# Altium PCB ledcube8x8x8.PcbDoc (part 1 of 2) (continued)
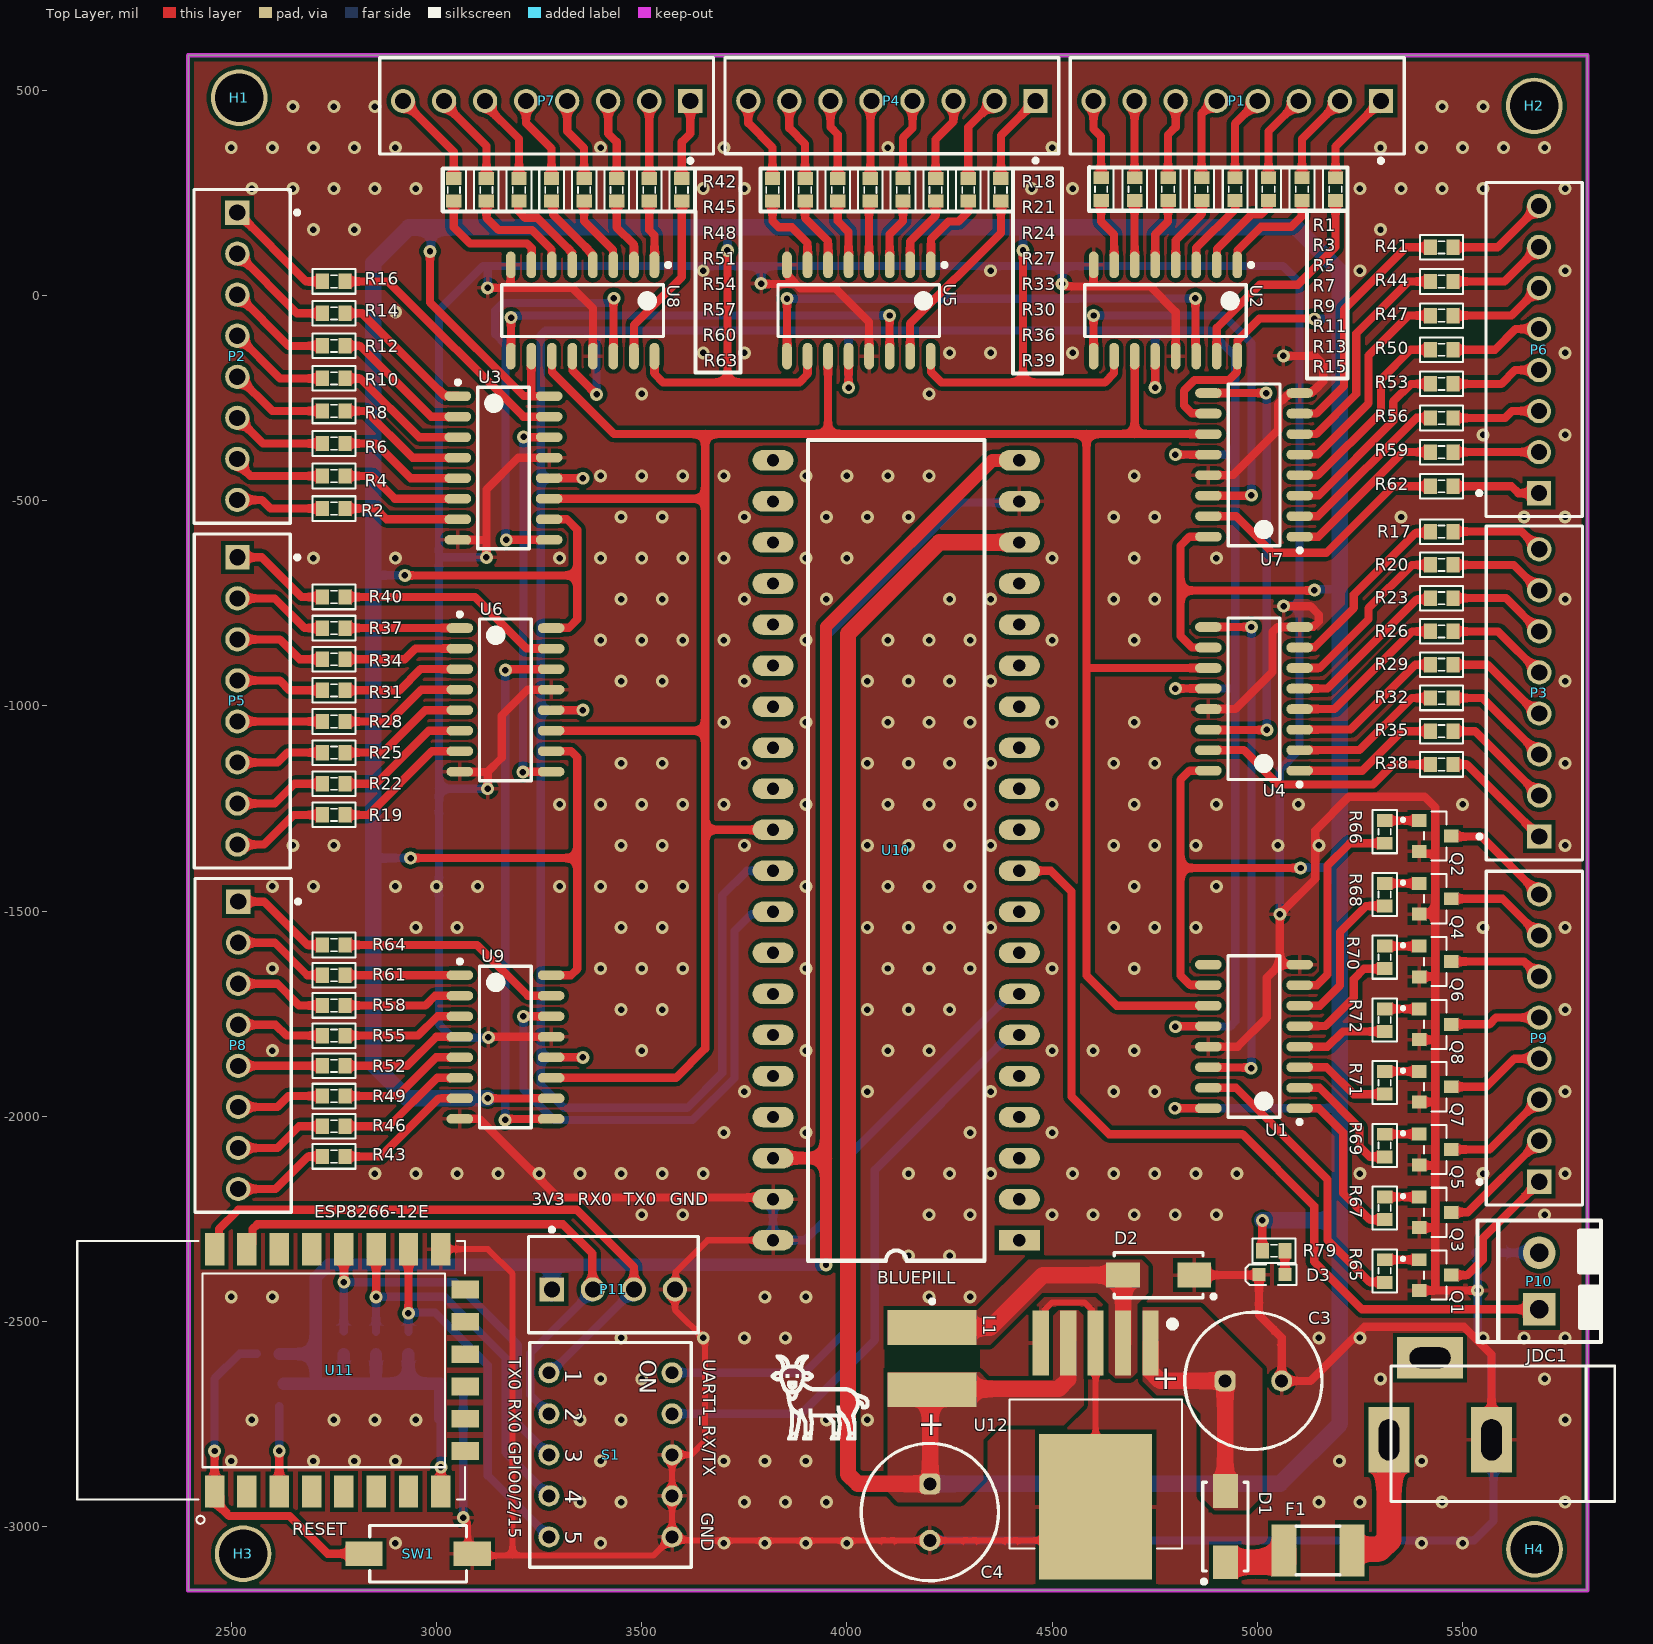
[diagram p0: Top Layer view]
## Design rules (kind name [scope] priority, off if disabled: settings) (continued)
PolygonConnect PolygonConnect_8 [All vs IsNamedPolygon('NETD2_2_L01_P018')] p15: thpad.connectstyle=Relief thpad.reliefconductorwidth=10 thpad.reliefentries=4 thpad.polygonreliefangle="90 Angle" thpad.airgapwidth=10 smdpad.connectstyle=Direct smdpad.reliefconductorwidth=10 smdpad.reliefentries=4 smdpad.polygonreliefangle="90 Angle" smdpad.airgapwidth=10 via.connectstyle=Relief via.reliefconductorwidth=10 via.reliefentries=4 via.polygonreliefangle="90 Angle" via.airgapwidth=10
PolygonConnect PolygonConnect_7 [All vs IsNamedPolygon('+5_L01_P004')] p16: thpad.connectstyle=Direct thpad.reliefconductorwidth=10 thpad.reliefentries=4 thpad.polygonreliefangle="90 Angle" thpad.airgapwidth=10 smdpad.connectstyle=Direct smdpad.reliefconductorwidth=10 smdpad.reliefentries=4 smdpad.polygonreliefangle="90 Angle" smdpad.airgapwidth=10 via.connectstyle=Relief via.reliefconductorwidth=10 via.reliefentries=4 via.polygonreliefangle="90 Angle" via.airgapwidth=10
PolygonConnect PolygonConnect_6 [All vs IsNamedPolygon('NETC3_1_L01_P005')] p17: thpad.connectstyle=Direct thpad.reliefconductorwidth=10 thpad.reliefentries=4 thpad.polygonreliefangle="90 Angle" thpad.airgapwidth=10 smdpad.connectstyle=Direct smdpad.reliefconductorwidth=10 smdpad.reliefentries=4 smdpad.polygonreliefangle="90 Angle" smdpad.airgapwidth=10 via.connectstyle=Relief via.reliefconductorwidth=10 via.reliefentries=4 via.polygonreliefangle="90 Angle" via.airgapwidth=10
PolygonConnect PolygonConnect_5 [All vs IsNamedPolygon('NETC3_1_L01_P005')] p18: thpad.connectstyle=Relief thpad.reliefconductorwidth=10 thpad.reliefentries=4 thpad.polygonreliefangle="90 Angle" thpad.airgapwidth=10 smdpad.connectstyle=Direct smdpad.reliefconductorwidth=10 smdpad.reliefentries=4 smdpad.polygonreliefangle="90 Angle" smdpad.airgapwidth=10 via.connectstyle=Relief via.reliefconductorwidth=10 via.reliefentries=4 via.polygonreliefangle="90 Angle" via.airgapwidth=10
PolygonConnect PolygonConnect_4 [All vs IsNamedPolygon('NETD1_1_L01_P006')] p19: thpad.connectstyle=Relief thpad.reliefconductorwidth=10 thpad.reliefentries=4 thpad.polygonreliefangle="90 Angle" thpad.airgapwidth=10 smdpad.connectstyle=Direct smdpad.reliefconductorwidth=10 smdpad.reliefentries=4 smdpad.polygonreliefangle="90 Angle" smdpad.airgapwidth=10 via.connectstyle=Relief via.reliefconductorwidth=10 via.reliefentries=4 via.polygonreliefangle="90 Angle" via.airgapwidth=10
PolygonConnect PolygonConnect_3 [All vs IsNamedPolygon('NETD1_1_L01_P006')] p20: thpad.connectstyle=Relief thpad.reliefconductorwidth=10 thpad.reliefentries=4 thpad.polygonreliefangle="90 Angle" thpad.airgapwidth=10 smdpad.connectstyle=Direct smdpad.reliefconductorwidth=10 smdpad.reliefentries=4 smdpad.polygonreliefangle="90 Angle" smdpad.airgapwidth=10 via.connectstyle=Relief via.reliefconductorwidth=10 via.reliefentries=4 via.polygonreliefangle="90 Angle" via.airgapwidth=10
PolygonConnect PolygonConnect_2 [All vs IsNamedPolygon('NETD1_1_L01_P006')] p21: thpad.connectstyle=Relief thpad.reliefconductorwidth=10 thpad.reliefentries=4 thpad.polygonreliefangle="90 Angle" thpad.airgapwidth=10 smdpad.connectstyle=Direct smdpad.reliefconductorwidth=10 smdpad.reliefentries=4 smdpad.polygonreliefangle="90 Angle" smdpad.airgapwidth=10 via.connectstyle=Relief via.reliefconductorwidth=10 via.reliefentries=4 via.polygonreliefangle="90 Angle" via.airgapwidth=10
PolygonConnect PolygonConnect_1 [All vs IsNamedPolygon('NETD1_1_L01_P006')] p22: thpad.connectstyle=Relief thpad.reliefconductorwidth=10 thpad.reliefentries=4 thpad.polygonreliefangle="90 Angle" thpad.airgapwidth=10 smdpad.connectstyle=Direct smdpad.reliefconductorwidth=10 smdpad.reliefentries=4 smdpad.polygonreliefangle="90 Angle" smdpad.airgapwidth=10 via.connectstyle=Relief via.reliefconductorwidth=10 via.reliefentries=4 via.polygonreliefangle="90 Angle" via.airgapwidth=10
PolygonConnect [All] p23: connectstyle=Relief reliefconductorwidth=10 reliefentries=4 polygonreliefangle="90 Angle" airgapwidth=10
RoutingVias [All] p1: holewidth=15.75 width=31.5 viastyle="Through Hole" minholewidth=15.75 minwidth=31.5 maxholewidth=15.75 maxwidth=31.5
SilkToSilkClearance [All] p1: silktosilkclearance=5
SilkToSolderMaskClearance [IsPad] p1: minsilkscreentomaskgap=3 clearancetoexposedcopper=TRUE
SolderMaskExpansion [All] p1: expansion=4 istentingtop=FALSE
Width [All] p1: maxlimit=70 minlimit=10 preferedwidth=20
28 further rules are at their usual default settings.

## Classes and differential pairs
component class power_supply: C3 C4 D1 D2 D3 F1 JDC1 L1 R79 U12
component class esp8266: C1 C2 IC*1 P11 R74 R75 R76 R77 R78 S1 SW1 U11
component class ledcube8x8x8: BLUEPILL H1 H2 H3 H4 P1 P2 P3 P4 P5 P6 P7 P8 P9 P10 Q1 Q2 Q3 Q4 Q5 Q6 Q7 Q8 R1 R2 R3 R4 R5 R6 R7 R8 R9 R10 R11 R12 R13 R14 R15 R16 R17 R18 R19 R20 R21 R22 R23 R24 R25 R26 R27 R28 R29 R30 R31 R32 R33 R34 R35 R36 R37 R38 R39 R40 R41 R42 R43 R44 R45 R46 R47 R48 R49 R50 R51 R52 R53 R54 R55 R56 R57 R58 R59 R60 R61 R62 R63 R64 R65 R66 R67 R68 R69 R70 R71 R72 R73 U1 U2 U3 U4 U5 U6 U7 U8 U9

## Components (designator, comment, footprint, x,y, rotation, side; value= is the part's Value field where it differs from the comment)
C1 "Cap Non-Pol SMD" CAP-SM-0603 3037.56,-2737 r180 bottom value=100nF
C2 "Cap Non-Pol SMD" CAP-SM-0603 3037,-2652 r180 bottom value=1uF
C3 "100uF" WCAP-ATG8_D8H11.5 4990.31,-2644.8 r180 top
C4 "1000uF" WCAP-ATG8_D8H16 4202.03,-2964.49 r90 top
D1 "D Schottky" SS34 4922,-3000 r90 top
D2 "D Schottky" SS34 4759.57,-2387.06 r180 top
D3 "LED SMD" LED_0603_Blue 5035.76,-2386 r180 top
F1 "Fuse" "FUSE SMD" 5148.06,-3058.08 r180 top
H1 "Hole" "LO KHOAN 3MM" 2519.28,481.49 r0 top
H2 "Hole" "LO KHOAN 3MM" 5674.42,461.81 r0 top
H3 "Hole" "LO KHOAN 3MM" 2528.79,-3065.99 r0 top
H4 "Hole" "LO KHOAN 3MM" 5675.34,-3055.16 r0 top
JDC1 "Jack DC" DC-IN 5445.69,-2688.41 r180 top value="Jac DC"
L1 "100µH, 0.57A" WE-PD2_5848 4207.71,-2590.76 r270 top
P1 "61900811121" 61900811121 4950.92,461.81 r0 top
P2 "61900811121" 61900811121 2526.54,-148.41 r90 top
P3 "61900811121" 61900811121 5675.01,-968.7 r270 top
P4 "61900811121" 61900811121 4109.65,462 r0 top
P5 "61900811121" 61900811121 2526.79,-988.2 r90 top
P6 "61900811121" 61900811121 5674.43,-131.91 r270 top
P7 "61900811121" 61900811121 3268.38,461.81 r0 top
P8 "61900811121" 61900811121 2528.79,-1827.2 r90 top
P9 "61900811121" 61900811121 5675.01,-1809.74 r270 top
P10 "Domino 2" "DOMINO SMALL 2" 5636.82,-2470.38 r90 top
P11 "61900411121" 61900411121 3431,-2410.19 r180 top
Q1 "MMSS8050-H-TP" TRANS_MMSS8050-H-TP 5433.56,-2387.06 r0 top
Q2 "MMSS8050-H-TP" TRANS_MMSS8050-H-TP 5433.56,-1317.1 r0 top
Q3 "MMSS8050-H-TP" TRANS_MMSS8050-H-TP 5433.56,-2234.06 r0 top
Q4 "MMSS8050-H-TP" TRANS_MMSS8050-H-TP 5433.56,-1470.1 r0 top
Q5 "MMSS8050-H-TP" TRANS_MMSS8050-H-TP 5433.56,-2081.06 r0 top
Q6 "MMSS8050-H-TP" TRANS_MMSS8050-H-TP 5433.56,-1623.1 r0 top
Q7 "MMSS8050-H-TP" TRANS_MMSS8050-H-TP 5433.56,-1928.06 r0 top
Q8 "MMSS8050-H-TP" TRANS_MMSS8050-H-TP 5433.56,-1776.1 r0 top
R1 "RESISTOR SMD" RES-SM-0603 4619.34,286.11 r270 top value=220
R2 "RESISTOR SMD" RES-SM-0603 2722.56,-519.43 r0 top value=220
R3 "RESISTOR SMD" RES-SM-0603 4700.92,286.11 r270 top value=220
R4 "RESISTOR SMD" RES-SM-0603 2722.56,-440.14 r0 top value=220
R5 "RESISTOR SMD" RES-SM-0603 4782.49,286.11 r270 top value=220
R6 "RESISTOR SMD" RES-SM-0603 2722.56,-360.86 r0 top value=220
R7 "RESISTOR SMD" RES-SM-0603 4864.07,286.11 r270 top value=220
R8 "RESISTOR SMD" RES-SM-0603 2722.56,-281.57 r0 top value=220
R9 "RESISTOR SMD" RES-SM-0603 4945.64,286.11 r270 top value=220
R10 "RESISTOR SMD" RES-SM-0603 2722.56,-202.29 r0 top value=220
R11 "RESISTOR SMD" RES-SM-0603 5027.22,286.11 r270 top value=220
R12 "RESISTOR SMD" RES-SM-0603 2722.56,-123 r0 top value=220
R13 "RESISTOR SMD" RES-SM-0603 5108.8,286.11 r270 top value=220
R14 "RESISTOR SMD" RES-SM-0603 2722.56,-43.71 r0 top value=220
R15 "RESISTOR SMD" RES-SM-0603 5190.37,286.11 r270 top value=220
R16 "RESISTOR SMD" RES-SM-0603 2722.56,34 r0 top value=220
R17 "RESISTOR SMD" RES-SM-0603 5476.28,-575.55 r180 top value=220
R18 "RESISTOR SMD" RES-SM-0603 3818.57,284.14 r270 top value=220
R19 "RESISTOR SMD" RES-SM-0603 2722.56,-1265.77 r0 top value=220
R20 "RESISTOR SMD" RES-SM-0603 5476.28,-656.6 r180 top value=220
R21 "RESISTOR SMD" RES-SM-0603 3898.07,284.14 r270 top value=220
R22 "RESISTOR SMD" RES-SM-0603 2722.56,-1189.91 r0 top value=220
R23 "RESISTOR SMD" RES-SM-0603 5476.28,-737.65 r180 top value=220
R24 "RESISTOR SMD" RES-SM-0603 3977.58,284.14 r270 top value=220
R25 "RESISTOR SMD" RES-SM-0603 2722.56,-1114.05 r0 top value=220
R26 "RESISTOR SMD" RES-SM-0603 5476.28,-818.7 r180 top value=220
R27 "RESISTOR SMD" RES-SM-0603 4057.08,284.14 r270 top value=220
R28 "RESISTOR SMD" RES-SM-0603 2722.56,-1038.2 r0 top value=220
R29 "RESISTOR SMD" RES-SM-0603 5476.28,-899.75 r180 top value=220
R30 "RESISTOR SMD" RES-SM-0603 4136.58,284.14 r270 top value=220
R31 "RESISTOR SMD" RES-SM-0603 2722.56,-962.34 r0 top value=220
R32 "RESISTOR SMD" RES-SM-0603 5476.28,-980.8 r180 top value=220
R33 "RESISTOR SMD" RES-SM-0603 4216.09,284.14 r270 top value=220
R34 "RESISTOR SMD" RES-SM-0603 2722.56,-886.48 r0 top value=220
R35 "RESISTOR SMD" RES-SM-0603 5476.28,-1061.85 r180 top value=220
R36 "RESISTOR SMD" RES-SM-0603 4295.59,284.14 r270 top value=220
R37 "RESISTOR SMD" RES-SM-0603 2722.56,-810.62 r0 top value=220
R38 "RESISTOR SMD" RES-SM-0603 5476.28,-1142.91 r180 top value=220
R39 "RESISTOR SMD" RES-SM-0603 4375.09,284.14 r270 top value=220
R40 "RESISTOR SMD" RES-SM-0603 2722.56,-734.77 r0 top value=220
R41 "RESISTOR SMD" RES-SM-0603 5476.28,117.05 r180 top value=220
R42 "RESISTOR SMD" RES-SM-0603 3042.22,284.14 r270 top value=220
R43 "RESISTOR SMD" RES-SM-0603 2722.56,-2097.98 r0 top value=220
R44 "RESISTOR SMD" RES-SM-0603 5476.28,33.89 r180 top value=220
R45 "RESISTOR SMD" RES-SM-0603 3121.58,284.14 r270 top value=220
R46 "RESISTOR SMD" RES-SM-0603 2722.56,-2024.38 r0 top value=220
R47 "RESISTOR SMD" RES-SM-0603 5476.28,-49.27 r180 top value=220
R48 "RESISTOR SMD" RES-SM-0603 3200.94,284.14 r270 top value=220
R49 "RESISTOR SMD" RES-SM-0603 2722.56,-1950.79 r0 top value=220
R50 "RESISTOR SMD" RES-SM-0603 5476.28,-132.43 r180 top value=220
R51 "RESISTOR SMD" RES-SM-0603 3280.3,284.14 r270 top value=220
R52 "RESISTOR SMD" RES-SM-0603 2722.56,-1877.2 r0 top value=220
R53 "RESISTOR SMD" RES-SM-0603 5476.28,-215.59 r180 top value=220
R54 "RESISTOR SMD" RES-SM-0603 3359.66,284.14 r270 top value=220
R55 "RESISTOR SMD" RES-SM-0603 2722.56,-1803.6 r0 top value=220
R56 "RESISTOR SMD" RES-SM-0603 5476.28,-298.75 r180 top value=220
R57 "RESISTOR SMD" RES-SM-0603 3439.02,284.14 r270 top value=220
R58 "RESISTOR SMD" RES-SM-0603 2722.56,-1730.01 r0 top value=220
R59 "RESISTOR SMD" RES-SM-0603 5476.28,-381.91 r180 top value=220
R60 "RESISTOR SMD" RES-SM-0603 3518.38,284.14 r270 top value=220
R61 "RESISTOR SMD" RES-SM-0603 2722.56,-1656.42 r0 top value=220
R62 "RESISTOR SMD" RES-SM-0603 5476.28,-465.07 r180 top value=220
R63 "RESISTOR SMD" RES-SM-0603 3597.74,284.14 r270 top value=220
R64 "RESISTOR SMD" RES-SM-0603 2722.56,-1582.83 r0 top value=220
R65 "RESISTOR SMD" RES-SM-0603 5310.09,-2404.21 r90 top value=1K
R66 "RESISTOR SMD" RES-SM-0603 5310.09,-1334.26 r90 top value=1K
R67 "RESISTOR SMD" RES-SM-0603 5310.09,-2251.36 r90 top value=1K
R68 "RESISTOR SMD" RES-SM-0603 5310.09,-1487.11 r90 top value=1K
R69 "RESISTOR SMD" RES-SM-0603 5310.09,-2098.51 r90 top value=1K
R70 "RESISTOR SMD" RES-SM-0603 5310.09,-1639.96 r90 top value=1K
R71 "RESISTOR SMD" RES-SM-0603 5310.09,-1945.66 r90 top value=1K
R72 "RESISTOR SMD" RES-SM-0603 5310.09,-1792.81 r90 top value=1K
R73 "RESISTOR SMD" RES-SM-0603 5536.82,-2332.59 r0 bottom value=10K
R74 "RESISTOR SMD" RES-SM-0603 2616.89,-2578.92 r180 bottom value=10K
R75 "RESISTOR SMD" RES-SM-0603 2616.89,-2651.8 r270 bottom value=10K
R76 "RESISTOR SMD" RES-SM-0603 2931.48,-2525.56 r270 bottom value=10K
R77 "RESISTOR SMD" RES-SM-0603 2852.74,-2525.56 r270 bottom value=10K
R78 "RESISTOR SMD" RES-SM-0603 2774,-2525 r270 bottom value=10K
R79 "RESISTOR SMD" RES-SM-0603 5012.7,-2327.63 r0 top value=1K
S1 "418117170905" 418117170905 3424,-2825 r270 top
SW1 "434111050826" WS-TASV_L6W3.5H5_4341x10508x6 2955.31,-3066 r0 top
U1 "74HC595" 74HC595D 4991.77,-1805.59 r180 top
U2 "74HC595" 74HC595D 4776,-37 r270 top
U3 "74HC595" 74HC595D 3163.27,-420.5 r0 top
U4 "74HC595" 74HC595D 4991.77,-983 r180 top
U5 "74HC595" 74HC595D 4029,-37 r270 top
U6 "74HC595" 74HC595D 3168,-985.62 r0 top
U7 "74HC595" 74HC595D 4992,-413 r180 top
U8 "74HC595" 74HC595D 3356,-37 r270 top
U9 "74HC595" 74HC595D 3168,-1831.42 r0 top
U10 "Bluepill" BLUEPILL 4420,-2302 r180 top
U11 "ESP8266-12E/ESP-12E" XCVR_ESP8266-12E/ESP-12E 2735,-2619 r90 top
U12 "LM2576-5.0WU" DPAK6P170_1524X459L254X81N 4606.03,-2801.59 r180 top

## Footprints (in the part's own frame and the unit in brackets; to place one, negate y for a bottom-side part, rotate by r counter-clockwise, add the part's x,y. Pads: shape width x height; smd on the part's side, far side on the other; paste and mask are expansions set on the pad)
74HC595D [mm] "SOIC, 16-Leads, Body 9.90x3.90mm, Pitch 1.27mm, IPC Medium Density"
  oval 1.65x0.6 smd: 1(-2.825,4.445) 2(-2.825,3.175) 3(-2.825,1.905) 4(-2.825,0.635) 5(-2.825,-0.635) 6(-2.825,-1.905) 7(-2.825,-3.175) 8(-2.825,-4.445) 9(2.825,-4.445) 10(2.825,-3.175) 11(2.825,-1.905) 12(2.825,-0.635) 13(2.825,0.635) 14(2.825,1.905) 15(2.825,3.175) 16(2.825,4.445)
  silkscreen extent -2.95,-5 1.6,5.42, body extent -3,-5 3,5, height 1.75
61900411121 [mm] "2.54mm Male Locking Header, 4p"
  rect 1.5x1.5 hole 1: 1(3.81,0.3)
  round 1.5 hole 1: 2(1.27,0.3) 3(-1.27,0.3) 4(-3.81,0.3)
  silkscreen extent -5.25,-3.52 5.25,2.98, body extent -5.08,-2.9 5.08,2.9, height 11.53
61900811121 [mm] "2.54mm Male Locking Header, 8p"
  rect 1.5x1.5 hole 1: 1(8.89,0.3)
  round 1.5 hole 1: 2(6.35,0.3) 3(3.81,0.3) 4(1.27,0.3) 5(-1.27,0.3) 6(-3.81,0.3) 7(-6.35,0.3) 8(-8.89,0.3)
  silkscreen extent -10.33,-3.52 10.33,2.98, body extent -10.16,-2.9 10.16,2.9, height 11.53
418117170905 [mm] "2.54 mm compact THT with flat actuator, 5p"
  round 1.3 hole 0.8: 1(-5.08,-3.81) 2(-2.54,-3.81) 3(0,-3.81) 4(2.54,-3.81) 5(5.08,-3.81) 6(5.08,3.81) 7(2.54,3.81) 8(0,3.81) 9(-2.54,3.81) 10(-5.08,3.81)
  silkscreen extent -6.95,-5 6.95,5, body extent -6.85,-4.95 6.85,4.95, height 5.75
BLUEPILL [mil]
  rect 100x50 hole 30: 1(0,0)
  oval 100x50 hole 30: 2(0,-100) 3(0,-200) 4(0,-300) 5(0,-400) 6(0,-500) 7(0,-600) 8(0,-700) 9(0,-800) 10(0,-900) 11(0,-1000) 12(0,-1100) 13(0,-1200) 14(0,-1300) 15(0,-1400) 16(0,-1500) 17(0,-1600) 18(0,-1700) 19(0,-1800) 20(0,-1900) 21(600,-1900) 22(600,-1800) 23(600,-1700) 24(600,-1600) 25(600,-1500) 26(600,-1400) 27(600,-1300) 28(600,-1200) 29(600,-1100) 30(600,-1000) 31(600,-900) 32(600,-800) 33(600,-700) 34(600,-600) 35(600,-500) 36(600,-400) 37(600,-300) 38(600,-200) 39(600,-100) 40(600,0)
  silkscreen extent 85,-1950 515,50, body extent -150,-2133 750,133, height 485
CAP-SM-0603 [mm] "SMD Ceramic Capacitor Size 0603"
  rect 0.8x0.95 smd: 1(-0.7,0) 2(0.7,0)
  body extent -0.85,-0.45 0.85,0.45, height 0.6
DC-IN [mil] "Jac DC input"
  rect 100x160 hole 50 slot 100 at 90 deg: 1(125,100) 2(-125,100)
  rect 160x100 hole 50 slot 100 at 0 deg: 3(25,-100)
  silkscreen extent -425,-80 120,250, body extent -410,-105 134,269, height 434
"DOMINO SMALL 2" [mil] "3.5 mm"
  rect 80x80 hole 45: 1(0,-50)
  round 80 hole 45: 2(137.8,-50)
  silkscreen extent -80,-203 217,100, body extent -79,-192 217,95, height 335
DPAK6P170_1524X459L254X81N [mm]
  rect 1x4 smd: 1(-3.4,-6.33) 2(-1.7,-6.33) 3(0,-6.33) 4(1.7,-6.33) 5(3.4,-6.33)
  rect 7x9 smd: 6(0,3.81)
  silkscreen extent -5.33,-7.7 5.33,6.4, body extent -4.32,-7.68 4.32,8.19, height 4.65
"FUSE SMD" [mm] "SMD FUSE"
  rect 1.55x3.21 smd: 1(-2.1,0) 2(2.1,0)
  silkscreen extent -1.35,-1.5 1.35,1.51, body extent -2.37,-1.71 2.36,1.71, height 0.75
LED_0603_Blue [mm] "Chip LED, 2-Leads, Body 1.6x0.8mm, IPC Medium Density"
  rect 0.8x0.8 smd: 1(-0.8,0) 2(0.8,0)
  silkscreen extent -1.52,-0.64 1.65,0.64, body extent -0.8,-0.4 0.8,0.4, height 0.7
"LO KHOAN 3MM" [mil]
  round 138 hole 118.1: 1(0,0)
RES-SM-0603 [mm]
  rect 0.8x0.95 smd: 1(-0.014,0) 2(1.386,0)
  silkscreen extent -0.64,-0.76 2.03,0.76, body extent -0.11,-0.4 1.49,0.4, height 0.3
SS34 [mm] "DO-214-AC/SMA Molded Diode, Body 5.3x2.6mm, IPC Medium Density"
  rect 2.1x1.55 smd: 1(-2.2,0) 2(2.2,0)
  silkscreen extent -3.52,-1.4 2.75,1.45, body extent -2.75,-1.4 2.75,1.4, height 2.3
TRANS_MMSS8050-H-TP [mm]
  rect 0.9x0.8 smd: 1(-1,0.95) 2(-1,-0.95) 3(1,0)
  silkscreen extent -2.1,-1.52 0.7,1.52
WCAP-ATG8_D8H11.5 [mm] "Aluminum Electrolytic Capacitors, 8x11.5mm"
  rrect50% 1.3x1.3 hole 0.8: 1(1.75,0)
  round 1.3 hole 0.8: 2(-1.75,0)
  silkscreen extent -4.25,-4.25 4.25,4.25, body extent -3.99,-4 4,4, height 11.81
WCAP-ATG8_D8H16 [mm] "Aluminum Electrolytic Capacitors, 8x16mm"
  rrect50% 1.3x1.3 hole 0.8: 1(1.75,0)
  round 1.3 hole 0.8: 2(-1.75,0)
  silkscreen extent -4.25,-4.25 4.25,4.25, body extent -3.99,-4 4,4, height 16.31
WE-PD2_5848 [mm] "SMD Power Inductor, 2-Leads, body 5.8x5.2mm"
  rect 2.15x5.5 smd: 1(-1.925,0) 2(1.925,0)
  silkscreen extent -3.67,-0.12 -3.43,0.13, body extent -2.9,-2.6 2.89,2.6, height 4.48
WS-TASV_L6W3.5H5_4341x10508x6 [mm] "SMD Tact Switch, body 6x3.5mm"
  rect 2.3x1.5 smd: 1(-3.35,0) 2(3.35,0)
  silkscreen extent -3,-1.75 3,1.75, body extent -4,-1.75 4,1.75, height 5
XCVR_ESP8266-12E/ESP-12E [mm]
  rect 2x1.2 smd: 1(-7.5,7) 2(-7.5,5) 3(-7.5,3) 4(-7.5,1) 5(-7.5,-1) 6(-7.5,-3) 7(-7.5,-5) 8(-7.5,-7) 15(7.5,-7) 16(7.5,-5) 17(7.5,-3) 18(7.5,-1) 19(7.5,1) 20(7.5,3) 21(7.5,5) 22(7.5,7)
  rect 1.1x1.7 smd: 9(-5,-8.5) 10(-3,-8.5) 11(-1,-8.5) 12(1,-8.5) 13(3,-8.5) 14(5,-8.5)
  Keep-Out Layer region: 8,8.51 -8.009,8.51 -8.009,15.5 8,15.5
  Keep-Out Layer region: 8,8.51 -8.009,8.51 -8.009,15.5 8,15.5
  silkscreen extent -9.5,-8.5 8,15.5, body extent -8.01,-8.51 8.01,15.5, height 3.01

## Part data
C1 C2: "Capacitor"
C3: library part 860010674014, "WCAP-ATG8 Aluminum Electrolytic Capacitor, Radial THT, D8xH11.5mm, 100uF, 50V", Capacitance Tolerance=+/-20%, Leakage Current=50uA, Manufacturer="Wurth Elektronik", Operating Temperature Max=85°C, Operating Temperature Min=-40°C, Rated Voltage (DC)=50V, Ripple Current=286mA, Capacitance=100uF, Category="Aluminum Electrolytic Capacitors", ComponentLink1Description="Manufacturer Link", ComponentLink1URL=https://www.we-online.com/redexpert/article/860010674014?ad, ComponentLink2Description=Datasheet, ComponentLink2URL=https://www.we-online.com/redexpert/spec/860010674014?ad, Diameter=8mm, Dissipation Factor=10%, Endurance=2000h, Height=11.5mm, Manufacturer Part Number=860010674014, Match Code=WCAP-ATG8, Mount="Through Hole", Packaging="Ammo Pack", Technical Reference=ATBE115101M050DSPA7B000
C4: library part 860010274015, "WCAP-ATG8 Aluminum Electrolytic Capacitor, Radial THT, D8xH16mm, 1000uF, 10V", Capacitance Tolerance=+/-20%, Leakage Current=100uA, Manufacturer="Wurth Elektronik", Operating Temperature Max=85°C, Operating Temperature Min=-40°C, Rated Voltage (DC)=10V, Ripple Current=725mA, Capacitance=1000uF, Category="Aluminum Electrolytic Capacitors", ComponentLink1Description="Manufacturer Link", ComponentLink1URL=https://www.we-online.com/redexpert/article/860010274015?ad, ComponentLink2Description=Datasheet, ComponentLink2URL=https://www.we-online.com/redexpert/spec/860010274015?ad, Diameter=8mm, Dissipation Factor=19%, Endurance=2000h, Height=16mm, Manufacturer Part Number=860010274015, Match Code=WCAP-ATG8, Mount="Through Hole", Packaging="Ammo Pack", Technical Reference=ATBE160102M010DSPA7B000
D1 D2: "Schottky Diode", Code_JEDEC=DO-214-AA, LatestRevisionDate=17-Jul-2002, LatestRevisionNote="Re-released for DXP Platform.", PackageDescription="DO-214-AA/SMB; 2 C-Bend Leads; Body 5.3 x 3.6 mm, inc. leads (LxW)", PackageReference=SMB, Published=8-Jun-2000, Publisher="Altium Limited"
D3: "LED"
H1 H2 H3 H4: "Hole 3mm"
JDC1: "Jack DC input"
L1: library part 74477420, "WE-PD2 SMT Power Inductor, 5848, 100µH, 0.57A, 0.65Ω", Case/Size Code=5848, DC Resistance=0.51Ω, DC Resistance Max=0.65Ω, Inductance=100µH, Manufacturer="Wurth Elektronik", Operating Temperature Max=125°C, Operating Temperature Min=-40°C, Rated Current=0.57A, Saturation Current=0.68A, Self Resonant Frequency=7.5MHz, Category="Unshielded Power Inductors", ComponentLink1Description="Website Link", ComponentLink1URL=https://www.we-online.com/redexpert/article/74477420?ad, ComponentLink2Description="Datasheet Link", ComponentLink2URL=https://www.we-online.com/redexpert/spec/74477420?ad, Height=4.5mm, Length=5.8mm, Manufacturer Part Number=74477420, Match Code=WE-PD2, Mount="Surface Mount", Packaging="Tape and Reel", Width=5.2mm
P1 P2 P3 P4 P5 P6 P7 P8 P9: "WR-WTB THT Male Vertical Locking Header, pitch 2.54mm, 8p", Contact Resistance=20mOhm, Operating Temperature="-40 to +105degC", Rated Current=3A, Withstanding Voltage=1000VAC, Working Voltage=250VAC, ComponentLink1Description=Manufacturer, ComponentLink1URL=http://www.we-online.de, ComponentLink2Description=Datasheet, ComponentLink2URL=https://www.we-online.com/catalog/datasheet/61900811121.pdf, Gender=Male, Mounting Technology=THT, Packaging=Bag, Part Number=61900811121, Pin Number=8, Pitch=2.54mm, Published Date="January 2020", Publisher="Wurth Elektronik", Type=Vertical
P10: "Domino, 2-Pin", LatestRevisionDate=17-Jul-2002, LatestRevisionNote="Re-released for DXP Platform.", Publisher="Altium Limited"
P11: "WR-WTB THT Male Vertical Locking Header, pitch 2.54mm, 4p", Contact Resistance=20mOhm, Operating Temperature="-40 to +105degC", Rated Current=3A, Withstanding Voltage=1000VAC, Working Voltage=250VAC, ComponentLink1Description=Manufacturer, ComponentLink1URL=http://www.we-online.de, ComponentLink2Description=Datasheet, ComponentLink2URL=https://www.we-online.com/catalog/datasheet/61900411121.pdf, Gender=Male, Mounting Technology=THT, Packaging=Bag, Part Number=61900411121, Pin Number=4, Pitch=2.54mm, Published Date="January 2020", Publisher="Wurth Elektronik", Type=Vertical
Q1 Q2 Q3 Q4 Q5 Q6 Q7 Q8: "Bipolar _BJT_ Transistor NPN 25V 1.5A 100MHz 625mW Surface Mount SOT-23", Package="SOT-23 Micro Commercial", Availability=Unavailable, MF="Micro Commercial", MP=MMSS8050-H-TP, Price=None, SnapEDA_Link=https://www.snapeda.com/parts/MMSS8050-H-TP/Micro%20Commercial/view-part/423878/?ref=snap
R1 R2 R3 R4 R5 R6 R7 R8 R9 R10 R11 R12 R13 R14 R15 R16 R17 R18 R19 R20 R21 R22 R23 R24 R25 R26 R27 R28 R29 R30 R31 R32 R33 R34 R35 R36 R37 R38 R39 R40 R41 R42 R43 R44 R45 R46 R47 R48 R49 R50 R51 R52 R53 R54 R55 R56 R57 R58 R59 R60 R61 R62 R63 R64 R65 R66 R67 R68 R69 R70 R71 R72 R73 R74 R75 R76 R77 R78 R79: "Resistor"
S1: "WS-DITV Compact THT Dip Switch, Flat Actuator, pitch 2.54mm, 5p", Operating Temperature="-40 to +85degC", Rated Current Non-Switching=100mA, Rated Current Switching=25mA, Rated Voltage Non-Switching=50VDC, Rated Voltage Switching=24VDC, Actuator Type="Flat Type", Circuit=SPST-NO, ComponentLink1Description=Manufacturer, ComponentLink1URL=http://www.we-online.de, ComponentLink2Description=Datasheet, ComponentLink2URL=https://katalog.we-online.com/em/datasheet/418117170905.pdf, Contact Material="Copper Alloy", Contact Plating=Gold, Mounting Technology=THT, Operation Force=800g, Packaging=Tube, Part Number=418117170905, Pitch=2.54mm, Pole Number=5, Published Date="September 2019", Publisher="Wurth Elektronik"
SW1: "WS-TASV SMT Tact Switch, 12VDC, 50mA, 260g, height 5mm", Actuator Color=White, Manufacturer="Wurth Elektronik", Operating Temperature max.=85C, Operating Temperature min.=-40C, Rated Current=50mA, Rated Voltage=12V, ComponentLink1Description="Manufacturer Link", ComponentLink1URL=http://www.we-online.de, ComponentLink2Description=Datasheet, ComponentLink2URL=https://www.we-online.com/catalog/datasheet/434111050826.pdf, Contact Material="Stainless Steel", Contact Plating=Silver, Electrical Life=30000Cycles, Height=5mm, Length=6mm, Manufacturer Part Number=434111050826, Mounting Technology=SMT, Operation Force=260g, Packaging="Tape and Reel", Terminal Material="Copper Alloy", Terminal Plating=Silver, Washable=No, Width=3.5mm
U1 U2 U3 U4 U5 U6 U7 U8 U9: library part 74HC595D
U10: library part BLUEPILL
U11: "ESP-12E WiFi Module", Package=None, Availability=Unavailable, MP=ESP8266-12E/ESP-12E, Price=None
U12: "Buck Switching Regulator IC Positive Fixed 5V 1 Output 3A TO-263-6, DÂ²Pak _5 Leads + Tab_, TO-263BA", Package="TO-263-5 Micrel", Availability=Unavailable, MF=Microchip, MP=LM2576-5.0WU, Price=None, SnapEDA_Link=https://www.snapeda.com/parts/LM2576-5.0WU/Microchip/view-part/104848/?ref=snap

## Via types
v1: diameter 31.5/31.5 (per signal layer), hole 15.75, Top Layer to Bottom Layer, tented both sides, 305 vias
v2: diameter 31.5, hole 15.75, Top Layer to Bottom Layer, tented both sides, 55 vias

## Nets (pads, with @x,y where several pads share a name; then routed paths per layer and width w, separated by ;. In a path a pad name is that pad's centre, name@x,y a point inside that pad or via, vN(x,y) a via of type N, cw(c..) or ccw(c..) an arc to the next point about the centre after c; other vN are vias at no path point)
3V3: C1.2 C2.2 P11.1 R74.1 R75.1 R76.2 R77.2 R78.2 U10.20 U10.38 U11.8 | length 4851.8
  Top Layer w20: U11.8@3010.59,-2903.28 v2(3010.59,-2855.22)
  Top Layer w30: U10.38@3820,-2102 3949,-2102 ; v2(3949,-2362.06) 3949,-2102 ; U10.20@4420,-402 4354.34,-402 3949,-807.34 3949,-2102
  Bottom Layer w10: 2783.03,-2651.44 2785,-2649.47
  Bottom Layer w20: 2852.74,-2646.93 2857.25,-2651.44 ; v2(3010.59,-2855.22) C1.2@3010.59,-2737.59
  Bottom Layer w30: R74.1@2617.64,-2579.11 2705.43,-2579.11 ; R75.1@2627.89,-2651.44 2686.04,-2651.44 2705.43,-2651.44 ; R78.2@2774,-2579.56 2774,-2651.44 ; 2852.74,-2646.93 R77.2@2852.74,-2580.12 ; R76.2@2931.48,-2580.12 2931.48,-2651.44 ; C1.2@3009.44,-2736.44 3009.44,-2651.44 2931.48,-2651.44 ; P11.1@3281,-2437.5 P11.1@3281,-2422 3281,-2362.06 ; v2(3949,-2362.06) 3281,-2362.06 ; 2705.43,-2651.44 2705.43,-2579.11 ; 2705.43,-2651.44 2774,-2651.44 ; 2705.43,-2579.11 2705.43,-2393.45 2736.82,-2362.06 3281,-2362.06 ; 2774,-2651.44 2783.03,-2651.44 2857.25,-2651.44 2863.93,-2651.44 2931.48,-2651.44
+5: C4.1 L1.2 R79.1 U1.10 U1.16 U2.10 U2.16 U3.10 U3.16 U4.10 U4.16 U5.10 U5.16 U6.10 U6.16 U7.10 U7.16 U8.10 U8.16 U9.10 U9.16 U10.18 U12.4 | length 19751.3
  Top Layer w20: v2(2922.78,-682) 2930,-682 2930.24,-682.24 3343.15,-682.24 ; v2(2936.73,-1371) 3343.15,-1371 ; v2(2984.21,107.3) 2984.21,-17.08 3212.62,-245.5 3231,-245.5 ; v2(3124.94,-1956.42) U9.10@3279.22,-1956.42 ; U8.10@3231,-148.22 3231,-245.5 ; U3.10@3274.49,-545.5 3317.5,-545.5 3343.15,-571.15 3343.15,-682.24 ; U3.16@3274.49,-245.5 3231,-245.5 ; U9.16@3279.22,-1656.42 3327.57,-1656.42 3343.15,-1640.84 3343.15,-1371 ; U6.10@3279.22,-1110.62 3327.57,-1110.62 3343.15,-1126.2 3343.15,-1371 ; U6.16@3279.22,-810.62 3279.91,-809.93 3322.24,-809.93 3343.15,-789.02 3343.15,-682.24 ; U8.16@3531,-148.22 3531,-191 3552,-212 3708.86,-212 ; v2(3708.86,109.59) 3708.86,-212 ; U5.10@3904,-148.22 3904,-192.22 3884.22,-212 3708.86,-212 ; U5.16@4204,-148.22 4204.69,-148.91 4204.69,-186.76 4229.93,-212 4428.99,-212 ; v2(4428.97,109.69) 4428.99,-212 ; U2.10@4651,-148.22 4651,-189.28 4628.28,-212 4428.99,-212 ; v2(4798.94,-1980.59) U1.16@4880.55,-1980.59 ; U1.10@4880.55,-1680.59 4880.4,-1680.44 4836.2,-1680.44 4813,-1657.24 4813,-1395.18 ; U4.16@4880.55,-1158 4835,-1158 4813,-1180 4813,-1395.18 ; U4.10@4880.55,-858 4880.42,-857.87 4840.87,-857.87 4813,-830 4813,-719.28 ; U7.16@4880.78,-588 4835,-588 4813,-610 4813,-719.28 ; U7.10@4880.78,-288 4880.09,-287.31 4840.2,-287.31 4821,-268.11 4821,-232.12 4846.93,-206.19 4930.35,-206.19 4950.31,-186.24 4950.31,-148.91 U2.16@4951,-148.22 4951.69,-147.53 4951.69,-109.8 5004.81,-56.69 5138.37,-56.69 v2(5138.74,-57.05) ; R79.1@5012.14,-2327.63 v2(5012.14,-2253.75) ; v2(5105.48,-1395.18) 4813,-1395.18 ; v2(5138.74,-718.35) 5137.81,-719.28 4813,-719.28
  Top Layer w40: U10.18@4420,-602 4225.05,-602 4002.69,-824.37 4002.69,-2872.16 4026.12,-2895.59 C4.1@4202.03,-2895.59 4203,-2894.62 4203,-2664.48 4515.67,-2664.48 4539.1,-2641.05 U12.4@4539.1,-2552.38
  Bottom Layer w20: 2846.02,-1371 v2(2936.73,-1371) ; 2846.03,-682 v2(2922.78,-682) ; v2(2984.21,107.3) 2986.41,109.5 2986.41,117.62 2986.78,118 2986.78,165.78 ; v2(3708.86,109.59) 3708.86,164.99 3709.65,165.78 ; v2(4428.97,109.69) v2@4428.97,114.97 ; v2@4429,115 4429,165.74 ; v2(4798.94,-1980.59) 5201.23,-1980.59 ; v2(5105.48,-1395.18) 5106.54,-1394.11 5200.92,-1394.11 ; v2(5138.74,-718.35) 5140.93,-716.15 5197.84,-716.15 5200.92,-713.07 ; v2(5138.74,-57.05) 5184.48,-57.05 5184.85,-56.69 5200.92,-56.69
  Bottom Layer w40: v2(3124.94,-1956.42) 2928.74,-1956.42 2846.02,-1873.7 2846.02,-1371 2846.02,-681.99 2846.02,78.91 2932.89,165.78 2986.78,165.78 3709.65,165.78 4428.97,165.78 5094.4,165.78 5200.92,59.26 5200.92,-56.69 5200.92,-713.07 5200.92,-1394.11 5200.92,-1946.47 5201.23,-1946.78 5201.23,-1980.59 ; C4.1@4202.03,-2895.59 5055.27,-2895.59 5201.23,-2749.64 5201.23,-2253.75 ; v2(5012.14,-2253.75) 5201.23,-2253.75 ; 5201.23,-1983.59 5201.23,-2253.75
CLK: U1.11 U2.11 U3.11 U4.11 U5.11 U6.11 U7.11 U8.11 U9.11 U10.30 | length 6847.2
  Top Layer w20: U3.11@3274.49,-495.5 3654.58,-495.5 ; U9.11@3279.22,-1906.42 3583.58,-1906.42 3654.58,-1835.42 3654.58,-1302 ; U6.11@3279.22,-1060.62 3654.58,-1060.62 ; U8.11@3281,-148.22 3281.69,-148.91 3281.69,-187.05 3319.31,-224.67 3432.65,-338 3654.58,-338 ; U10.30@3820,-1302 3654.58,-1302 ; U5.11@3954,-148.22 3954,-338 ; U2.11@4701,-148.22 4701,-338 ; U1.11@4880.55,-1730.59 4657.1,-1730.59 4583.59,-1657.08 4583.59,-906.94 ; U4.11@4880.55,-908 4584.65,-908 4583.59,-906.94 ; U7.11@4880.78,-338 4701,-338 ; 3654.58,-1302 3654.58,-1060.62 ; 3654.58,-1060.62 3654.58,-495.5 ; 3654.58,-495.5 3654.58,-338 ; 3654.58,-338 3954,-338 ; 3954,-338 4583.59,-338 ; 4583.59,-906.94 4583.59,-338 ; 4583.59,-338 4701,-338